# Altium PCB PCB1_done2.PcbDoc (part 1 of 3)
Units mm, origin at the board's own origin, x right, y up, seen from the top; angles counter-clockwise.
Board outline 90.17 x 95.89 mm, 8 copper layers (Top Layer, Top Signal Layer, Vbat-chrg, Internal Plane 1, GND-nBat, Internal Plane 2, Bottom Signal Layer, Bottom Layer), stack 1.566 mm thick; 236 components, 256 nets, 986 pads, 235 vias.
Unrouted connection lines stored in the file: 10.
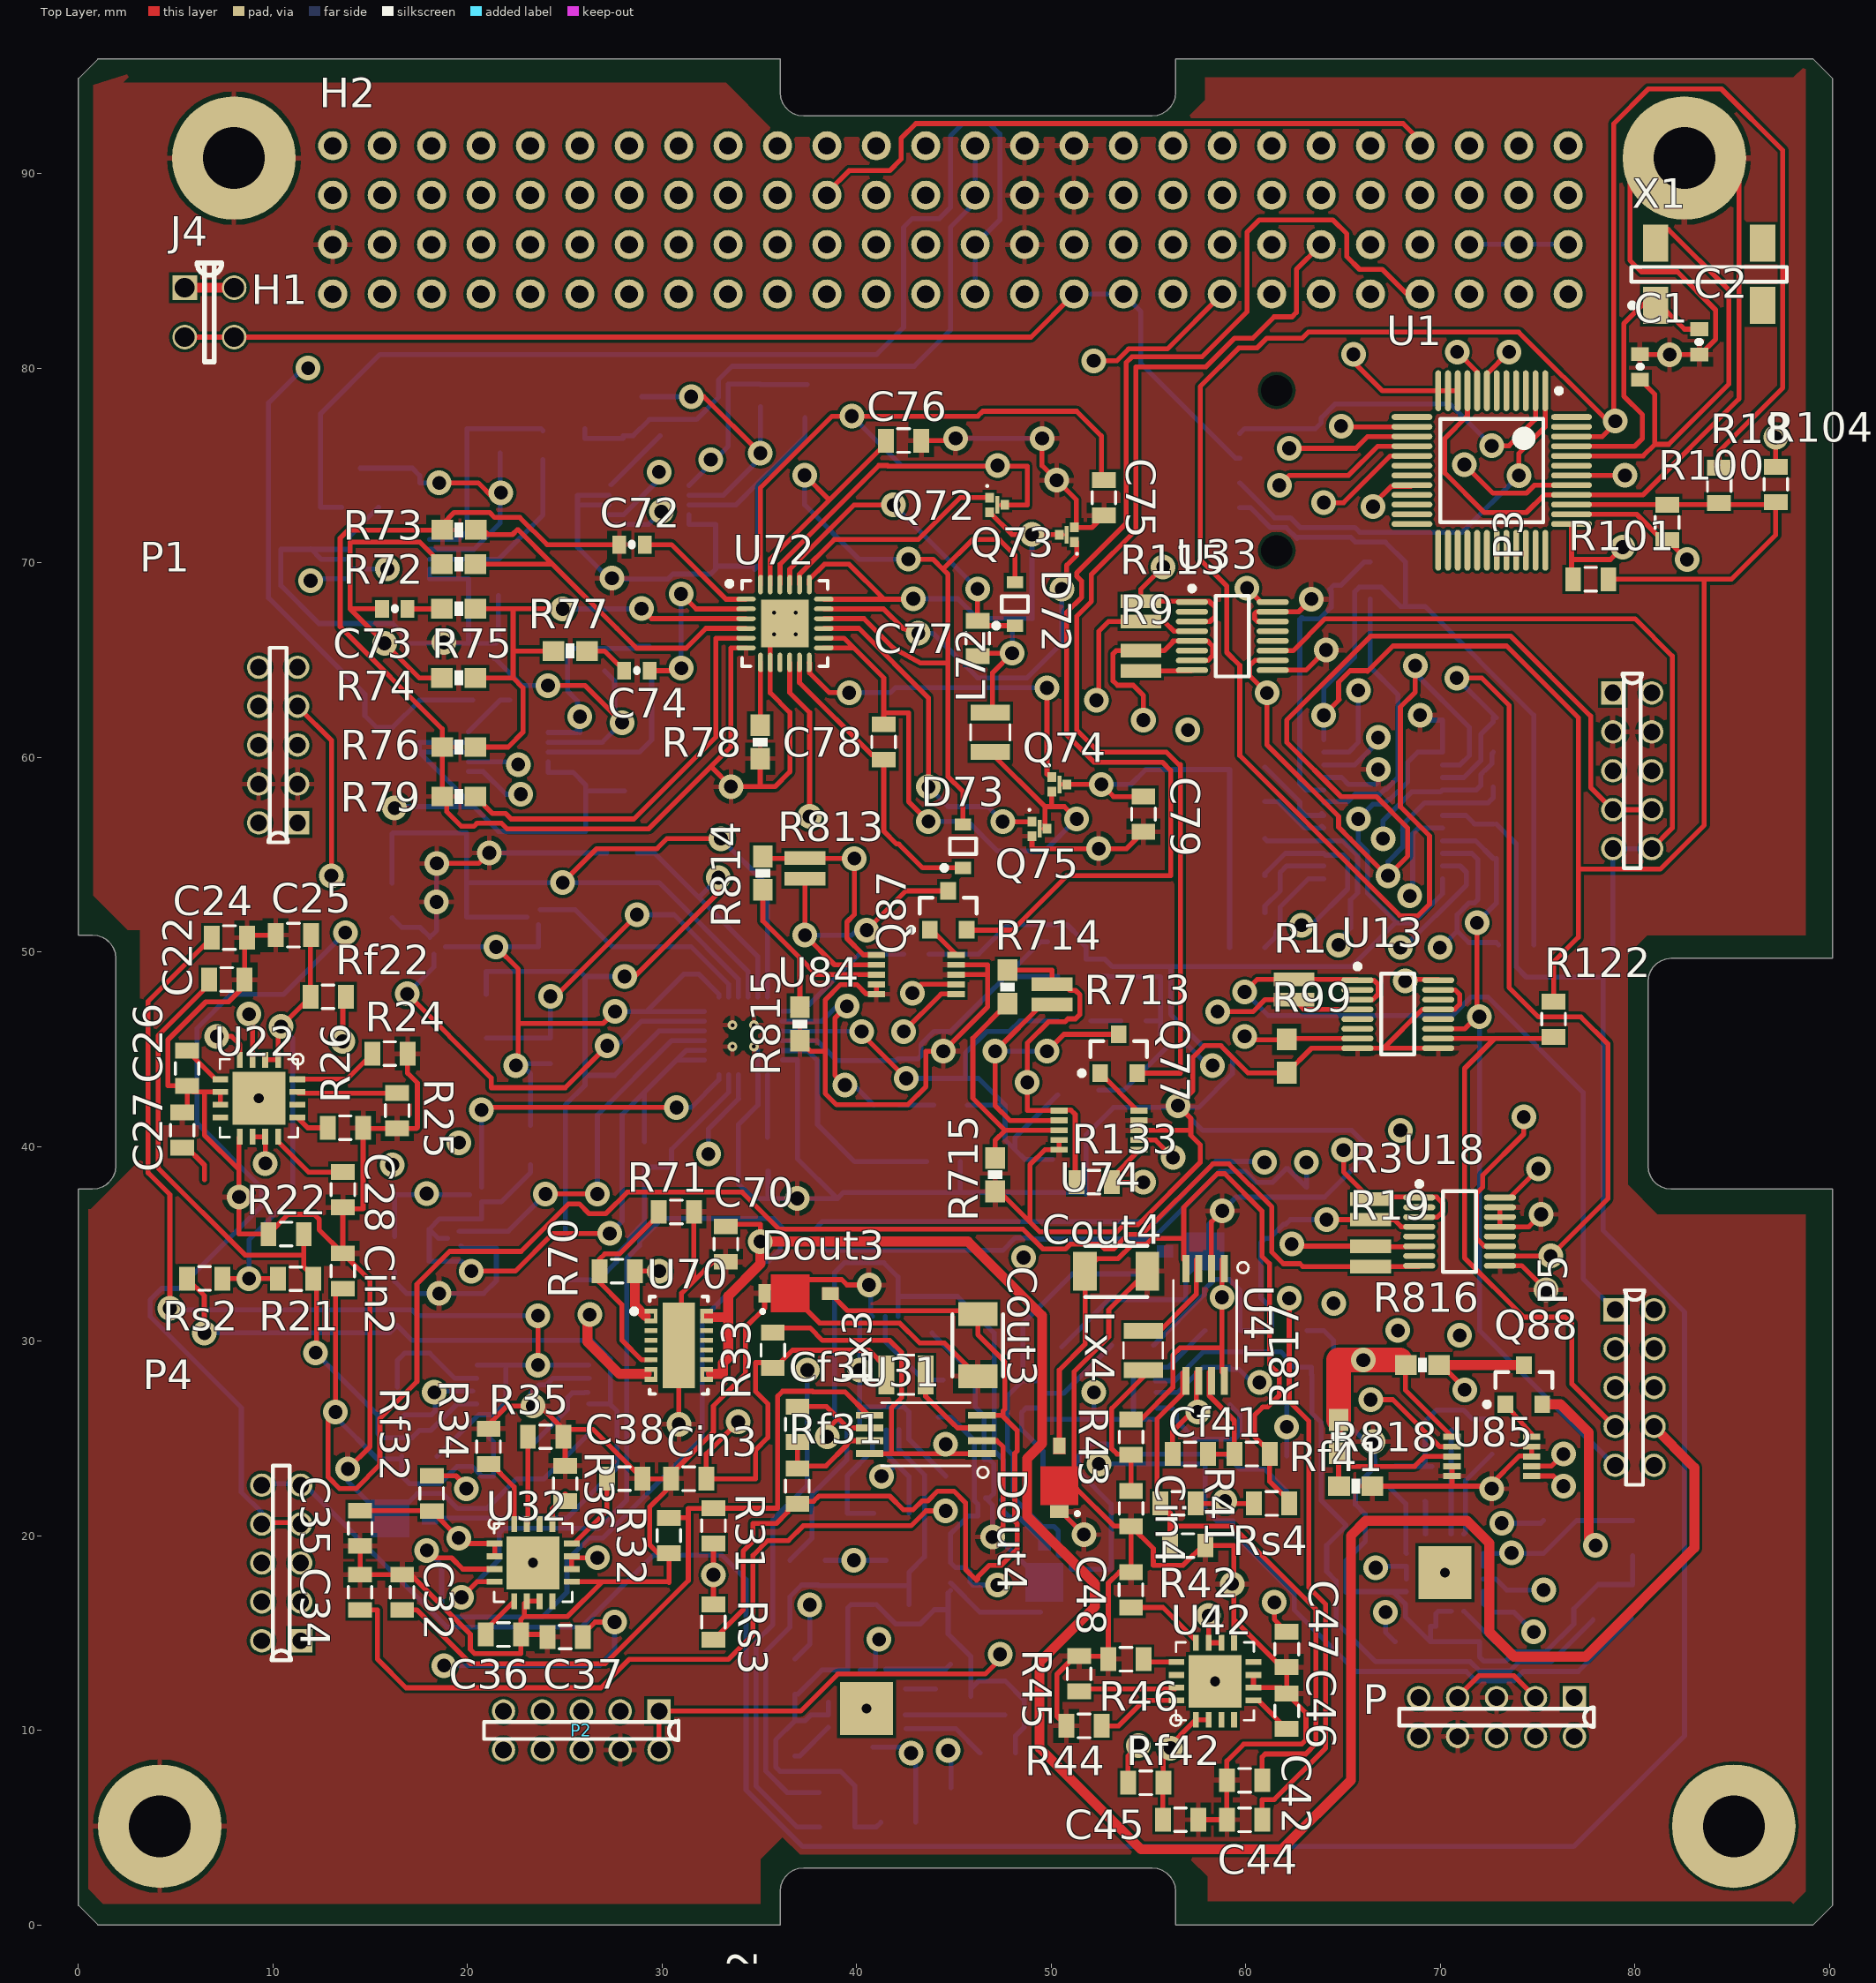
[diagram p0: Top Layer view]
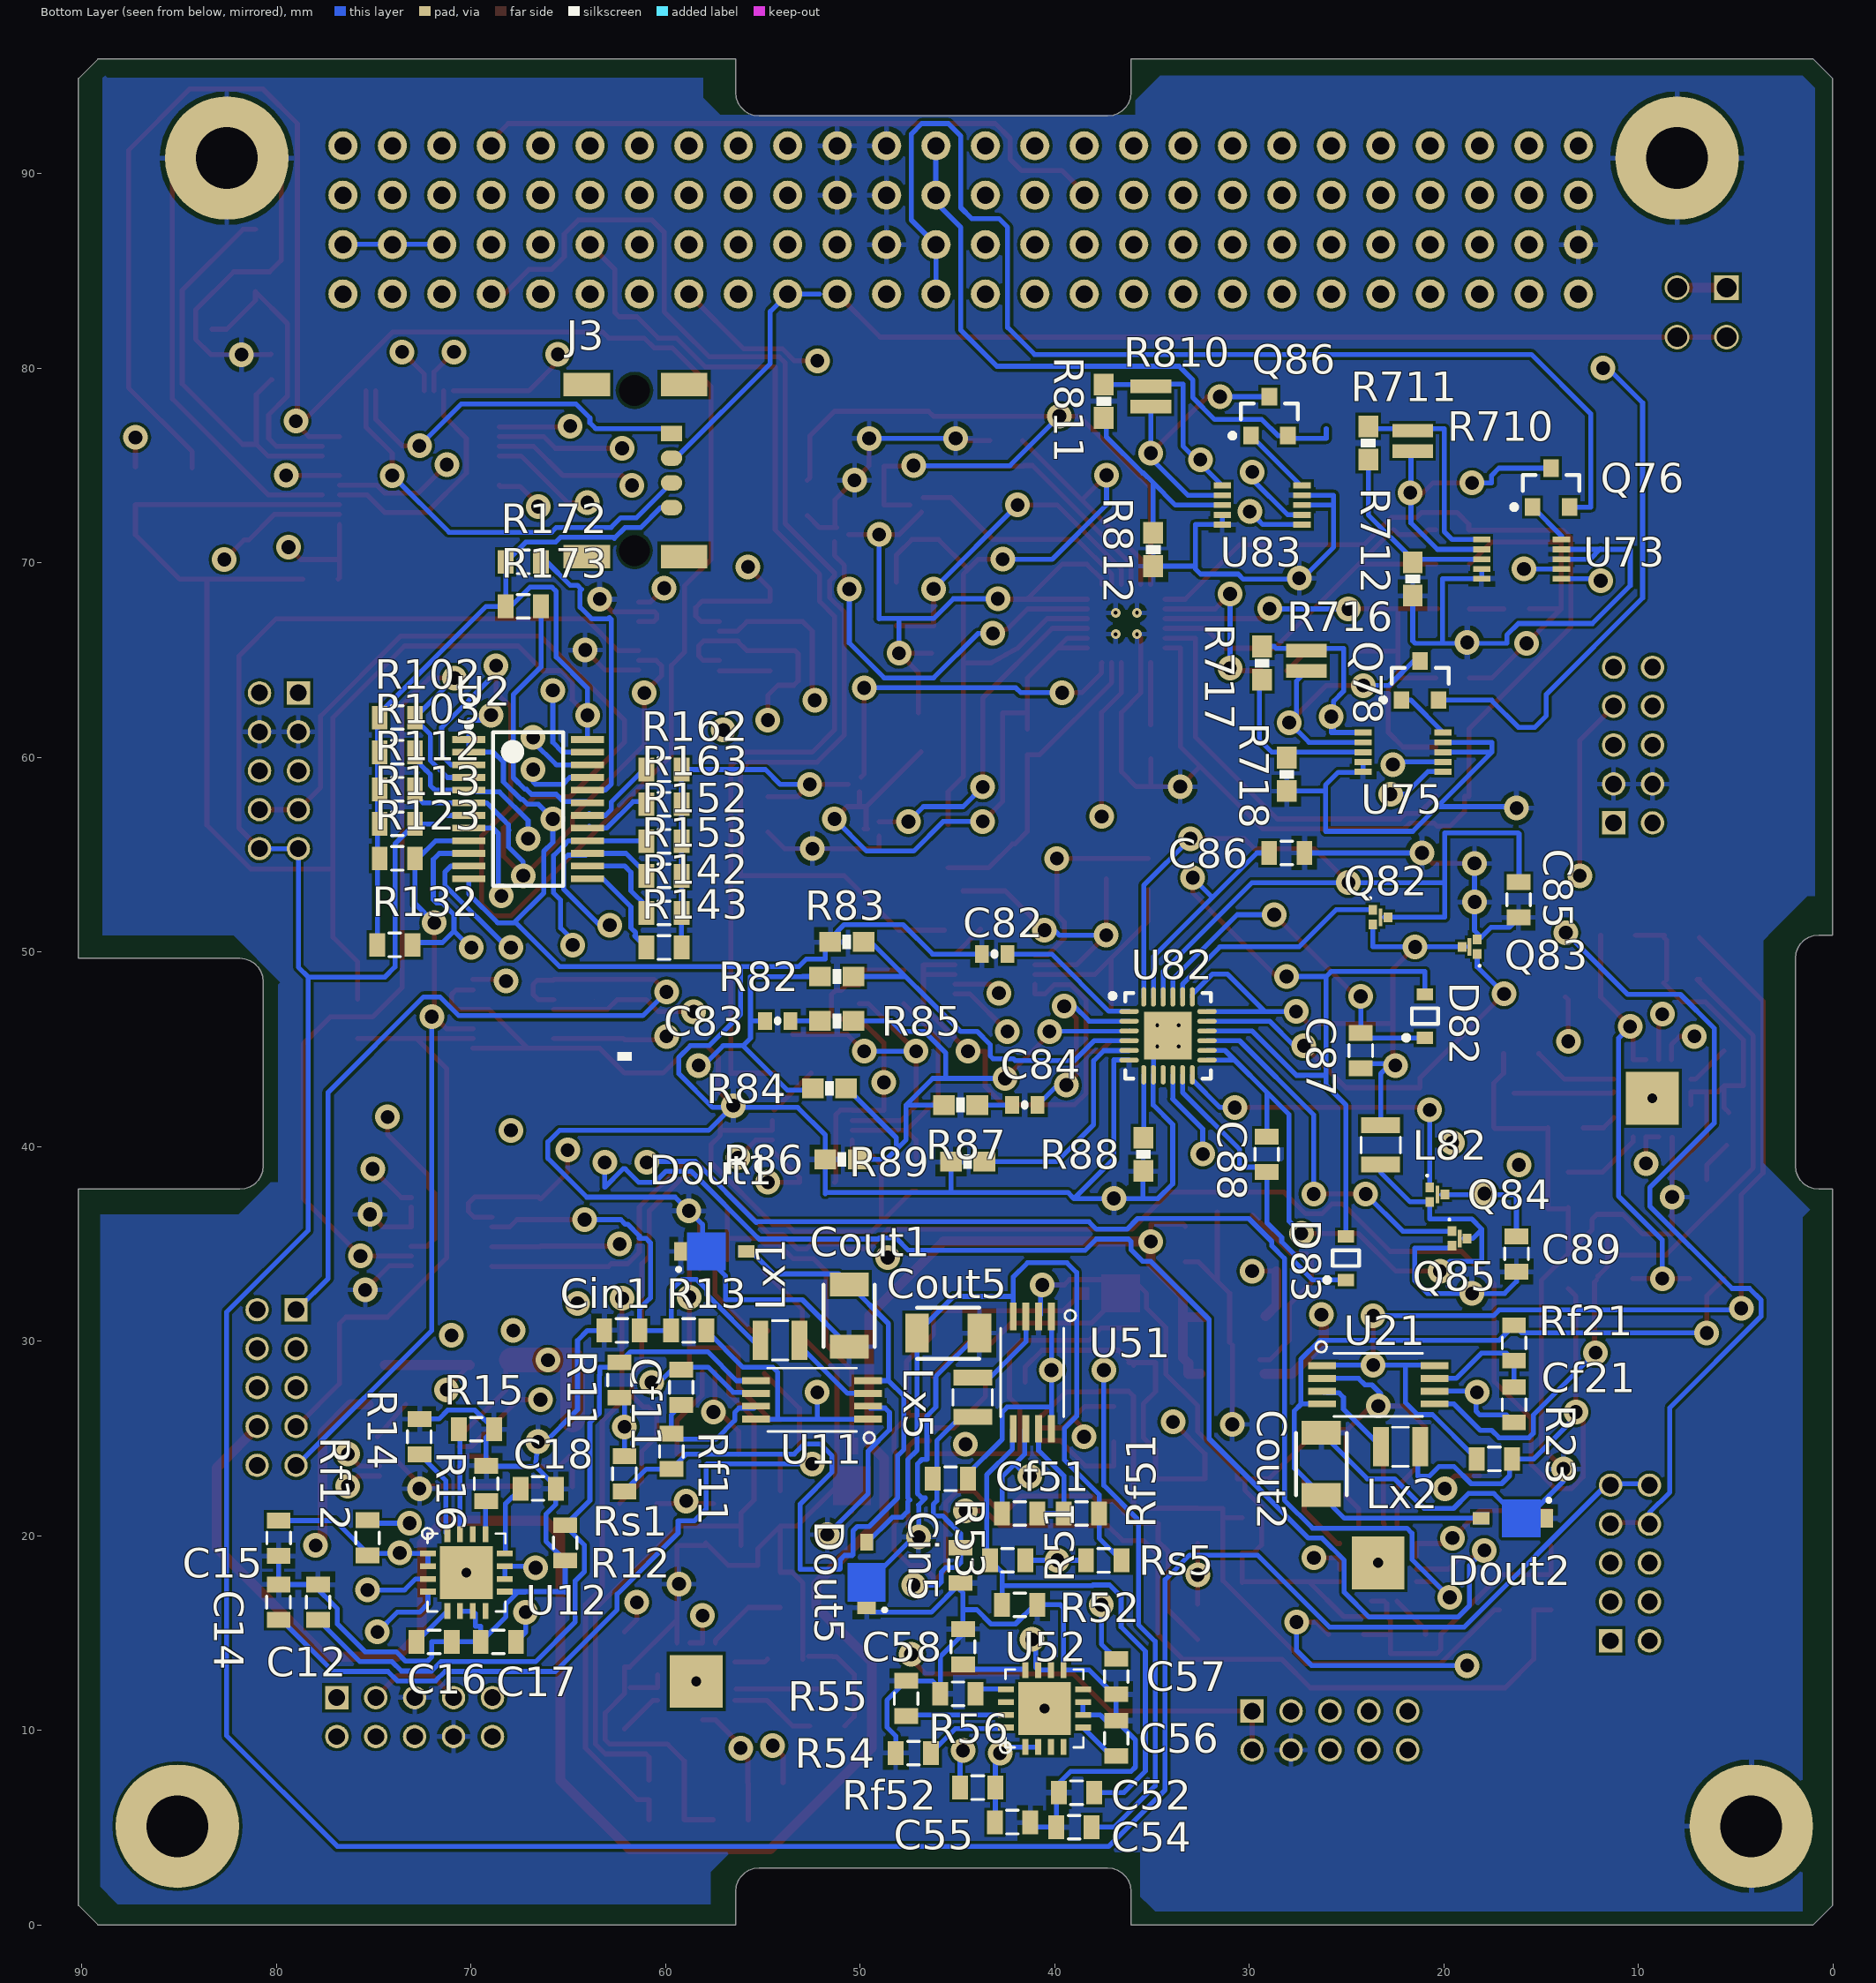
[diagram p1: Bottom Layer view, seen from below]
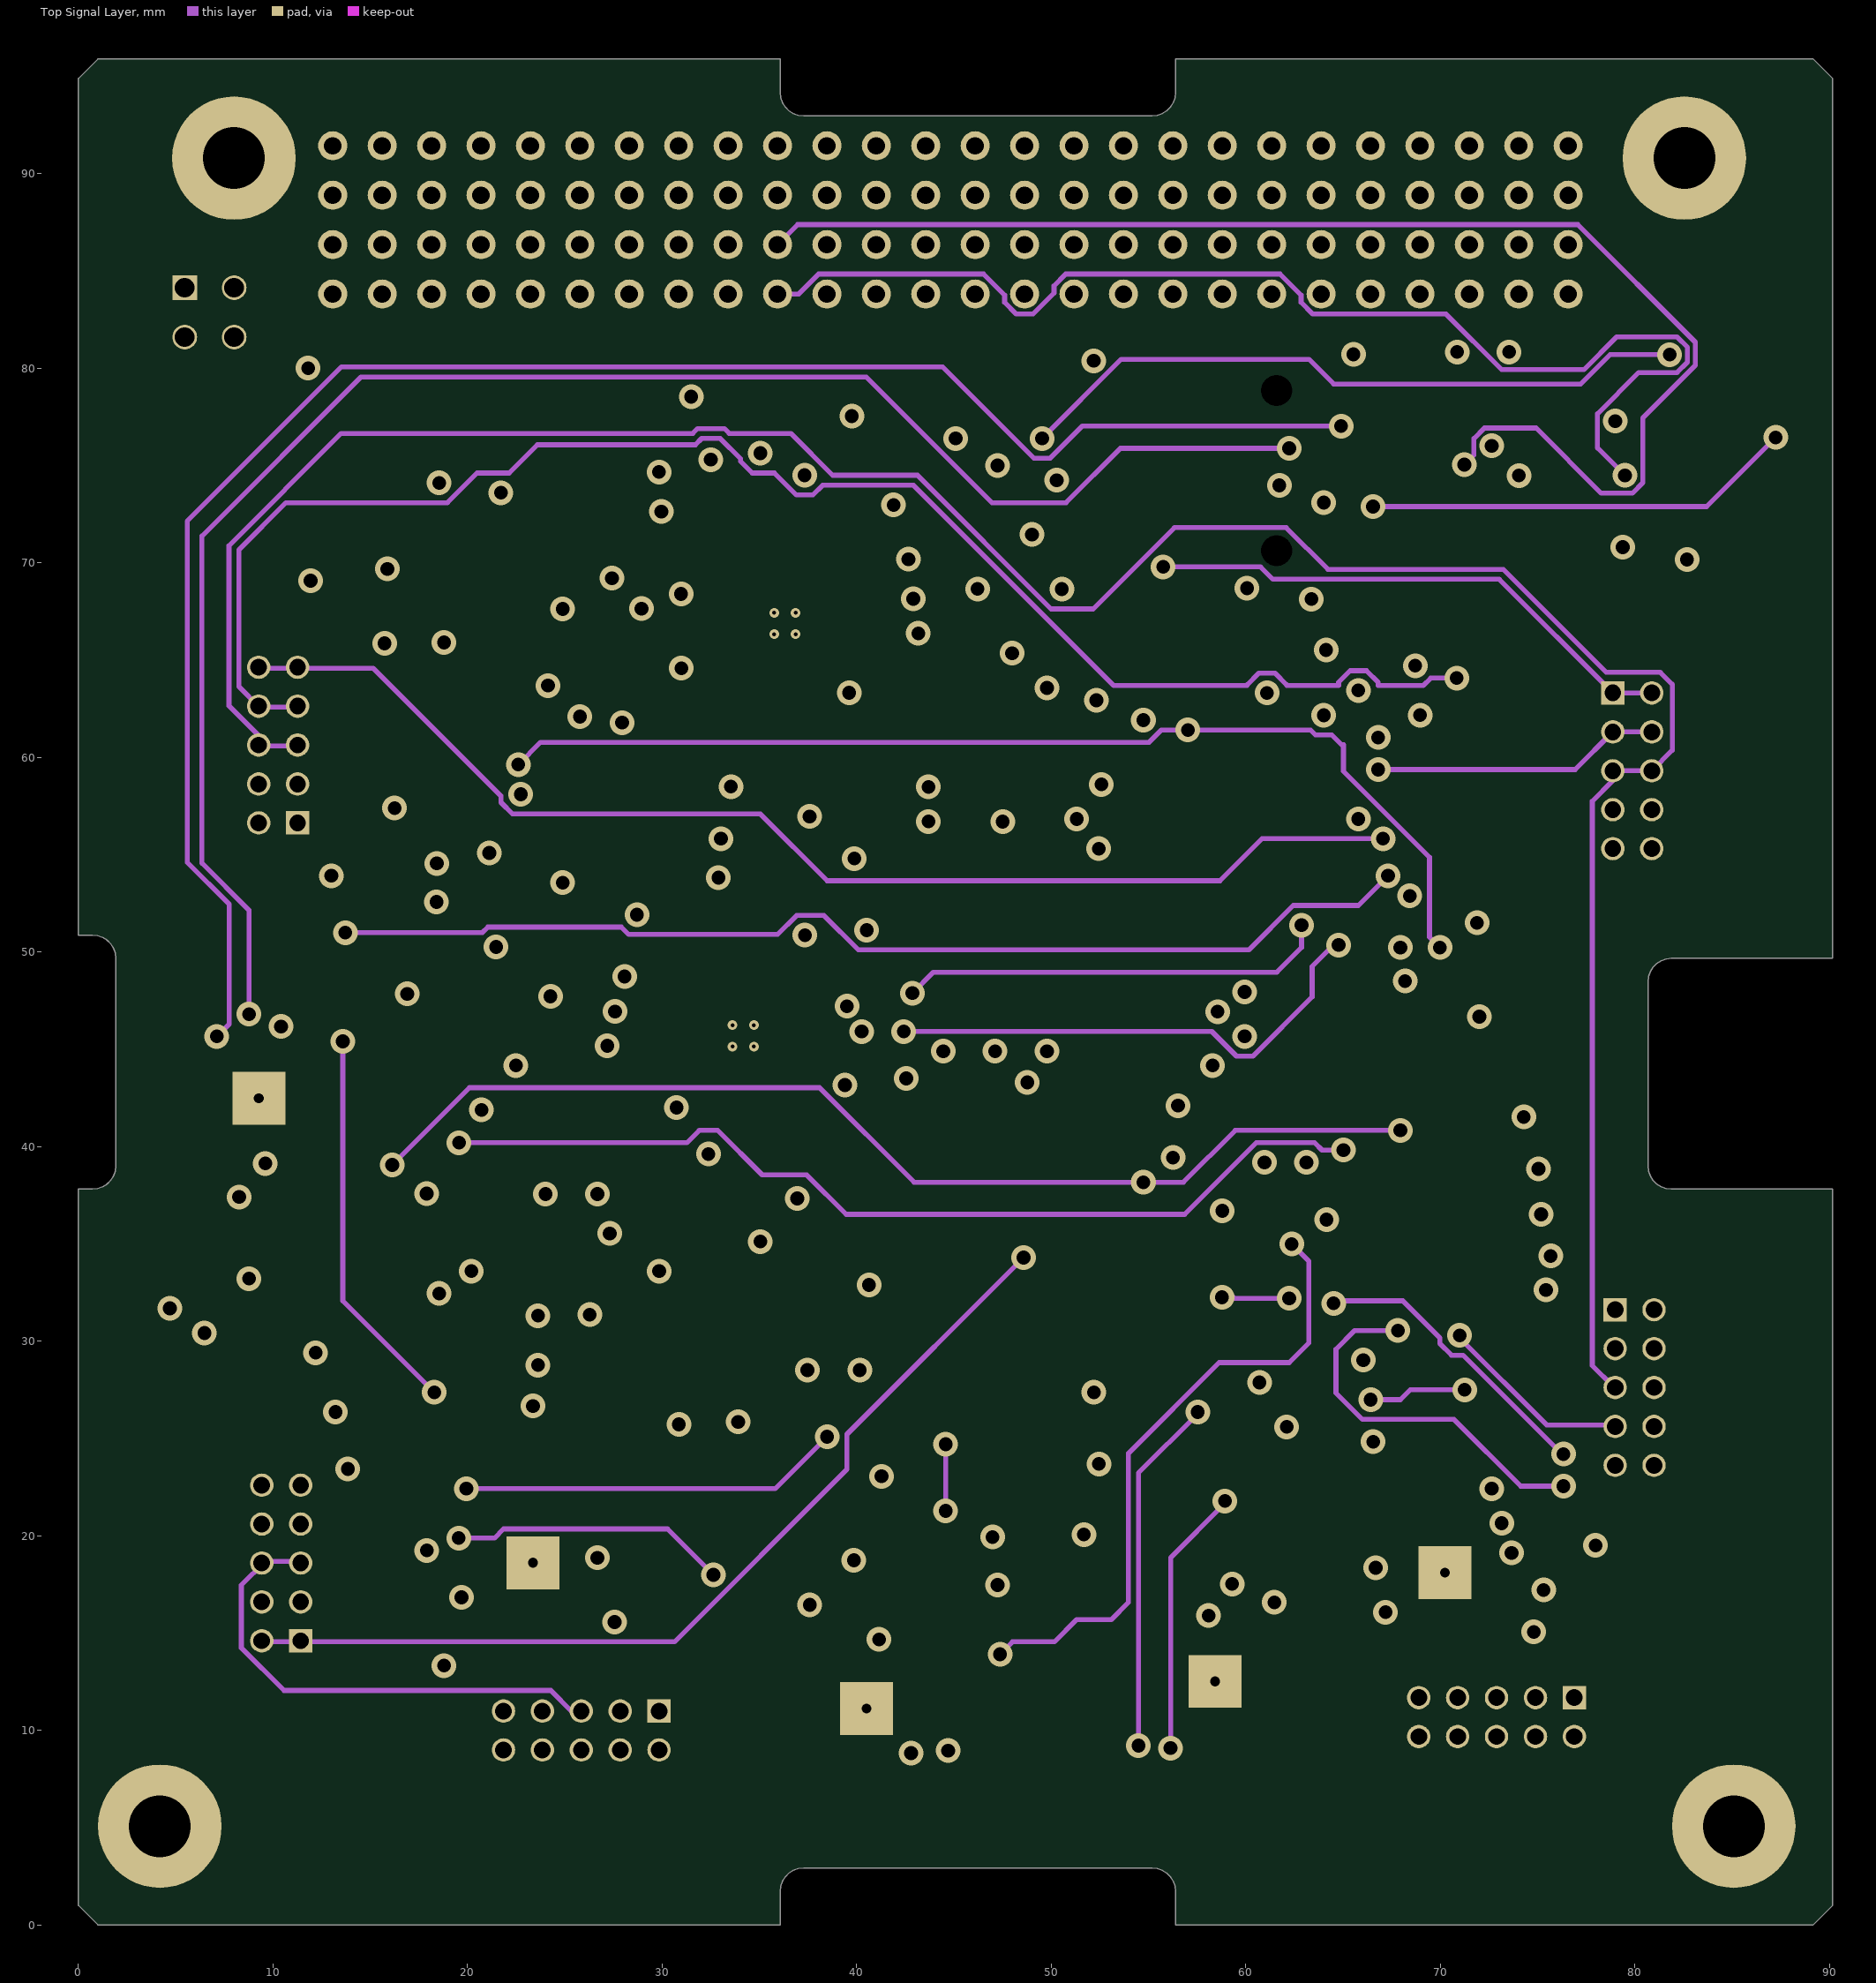
[diagram p2: Top Signal Layer]
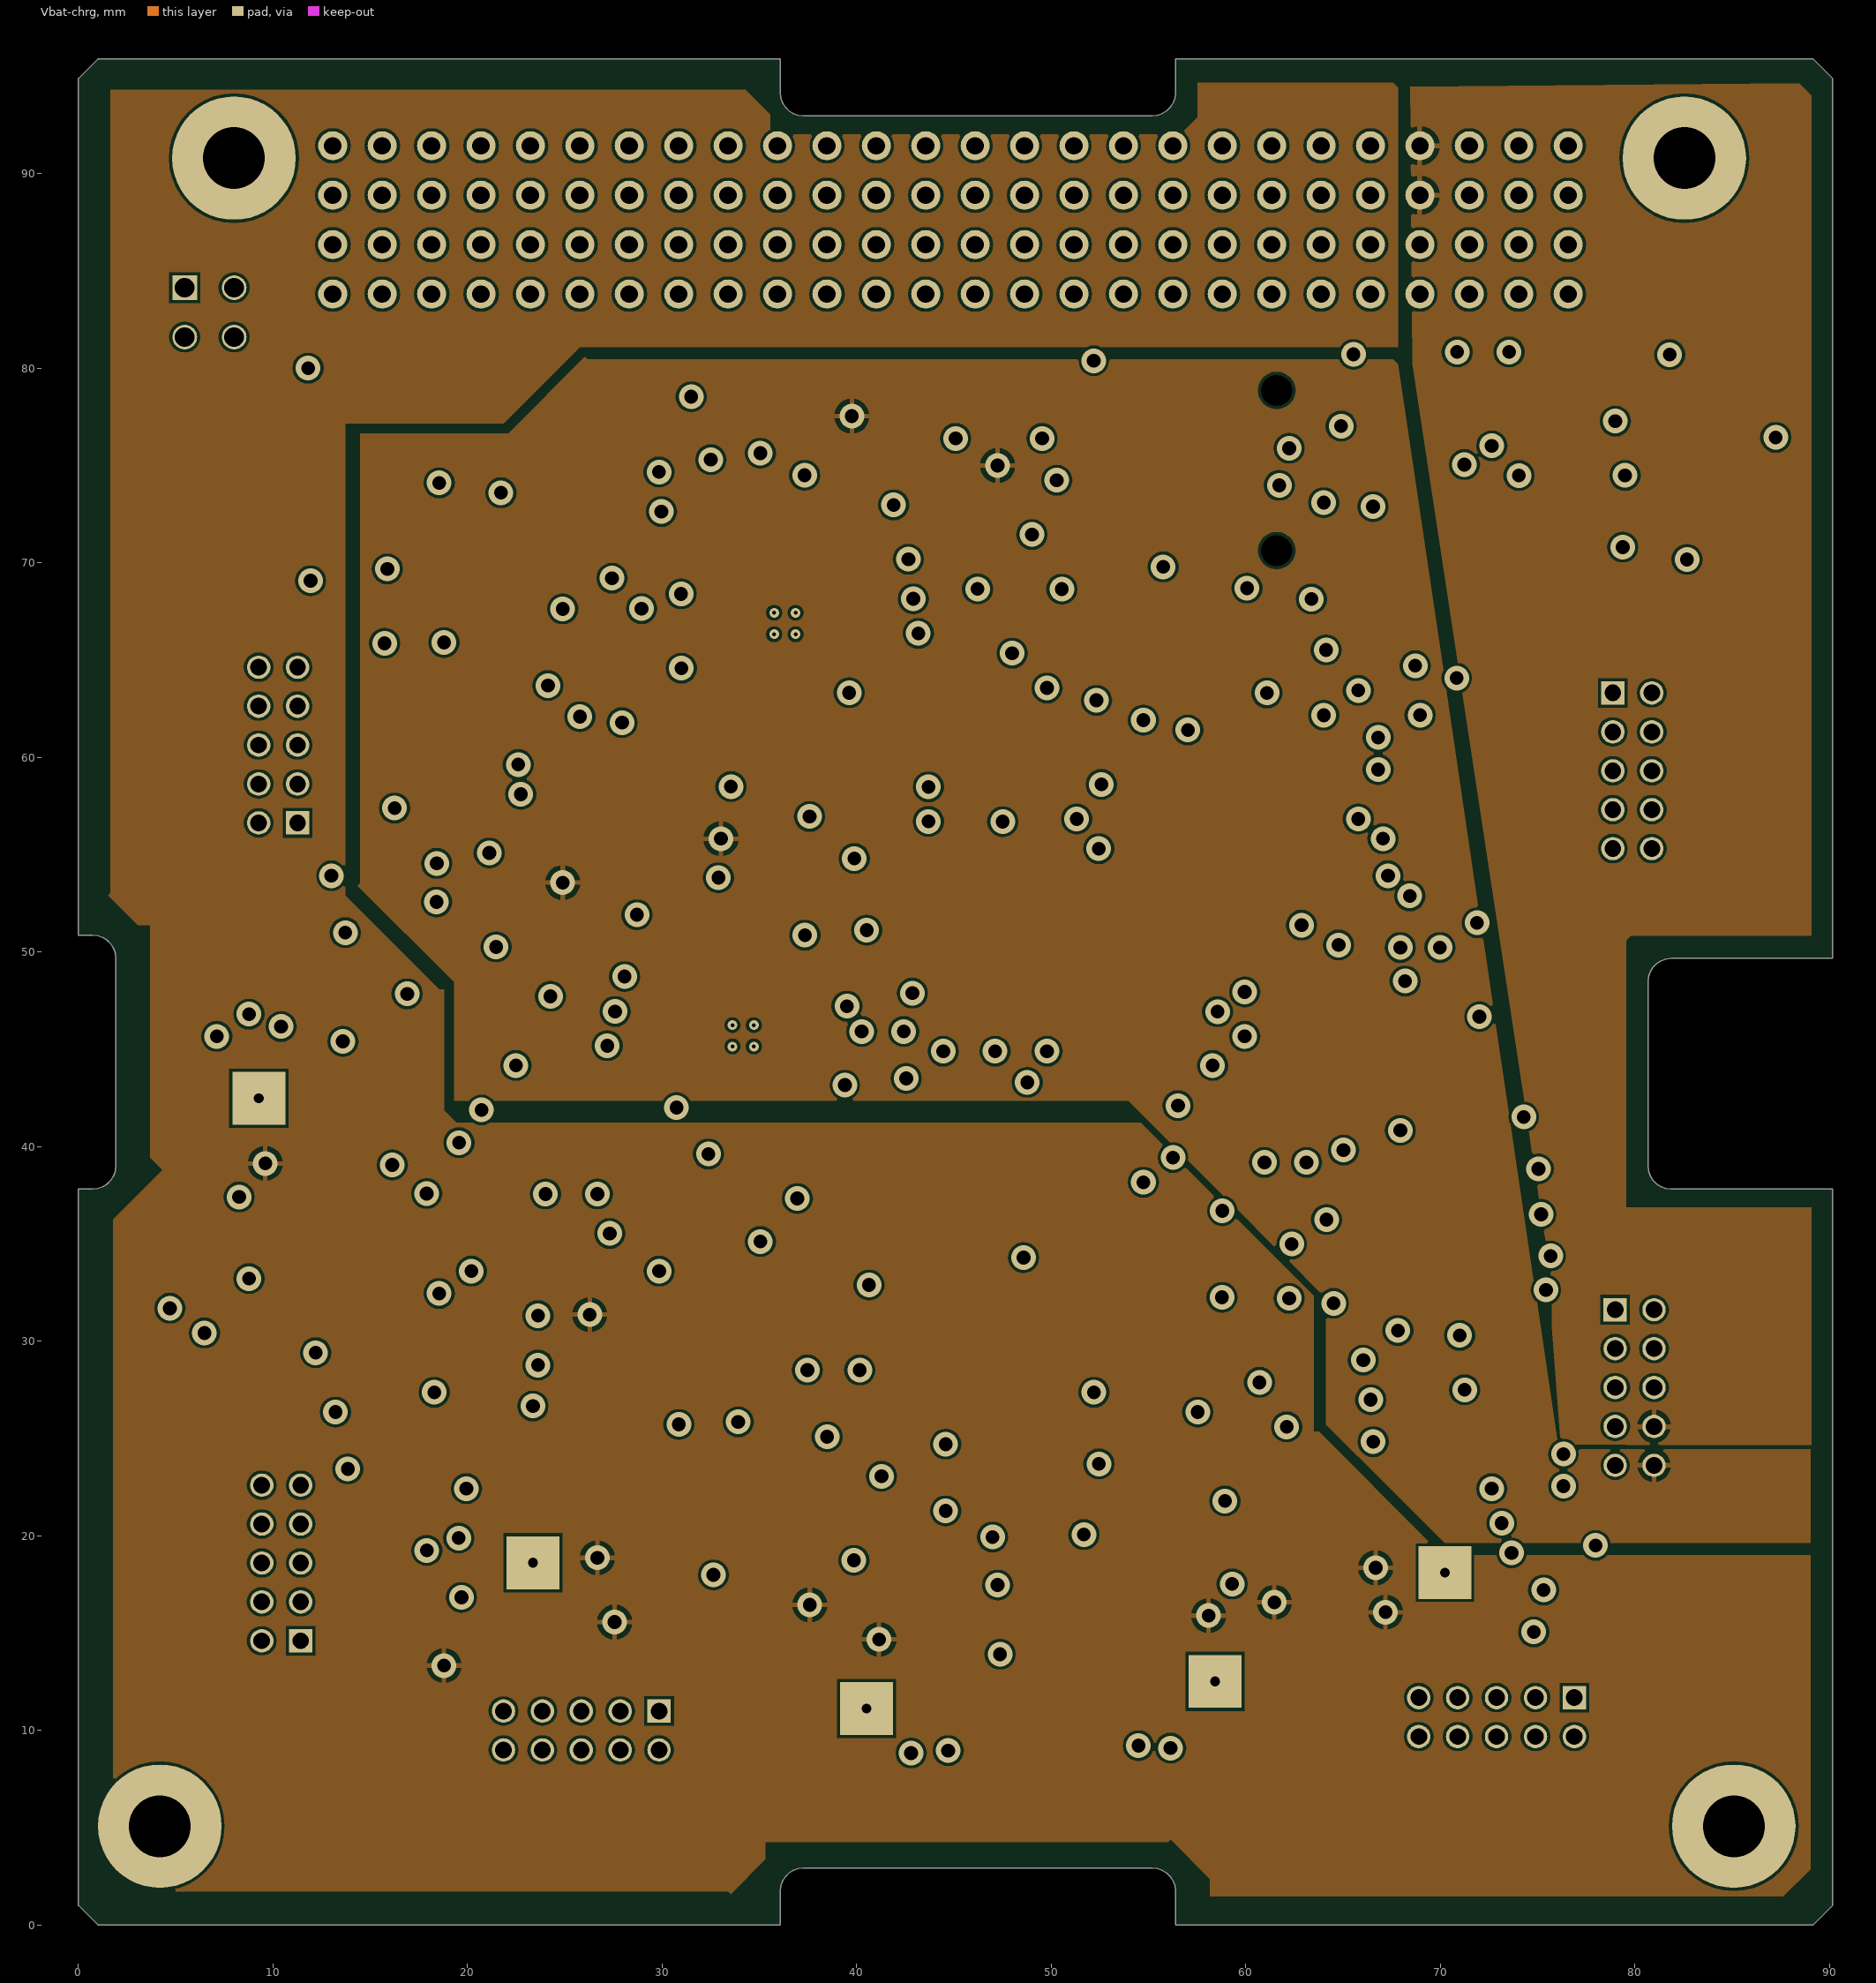
[diagram p3: Vbat-chrg]